# Altium PCB Power_board.PcbDoc
Units mm, origin at the board's own origin, x right, y up, seen from the top; angles counter-clockwise.
Board outline 158 x 108 mm, 4 copper layers (Component Side, GND, Power plane, Solder Side), stack 1.606 mm thick; 132 components, 50 nets, 387 pads, 350 vias.
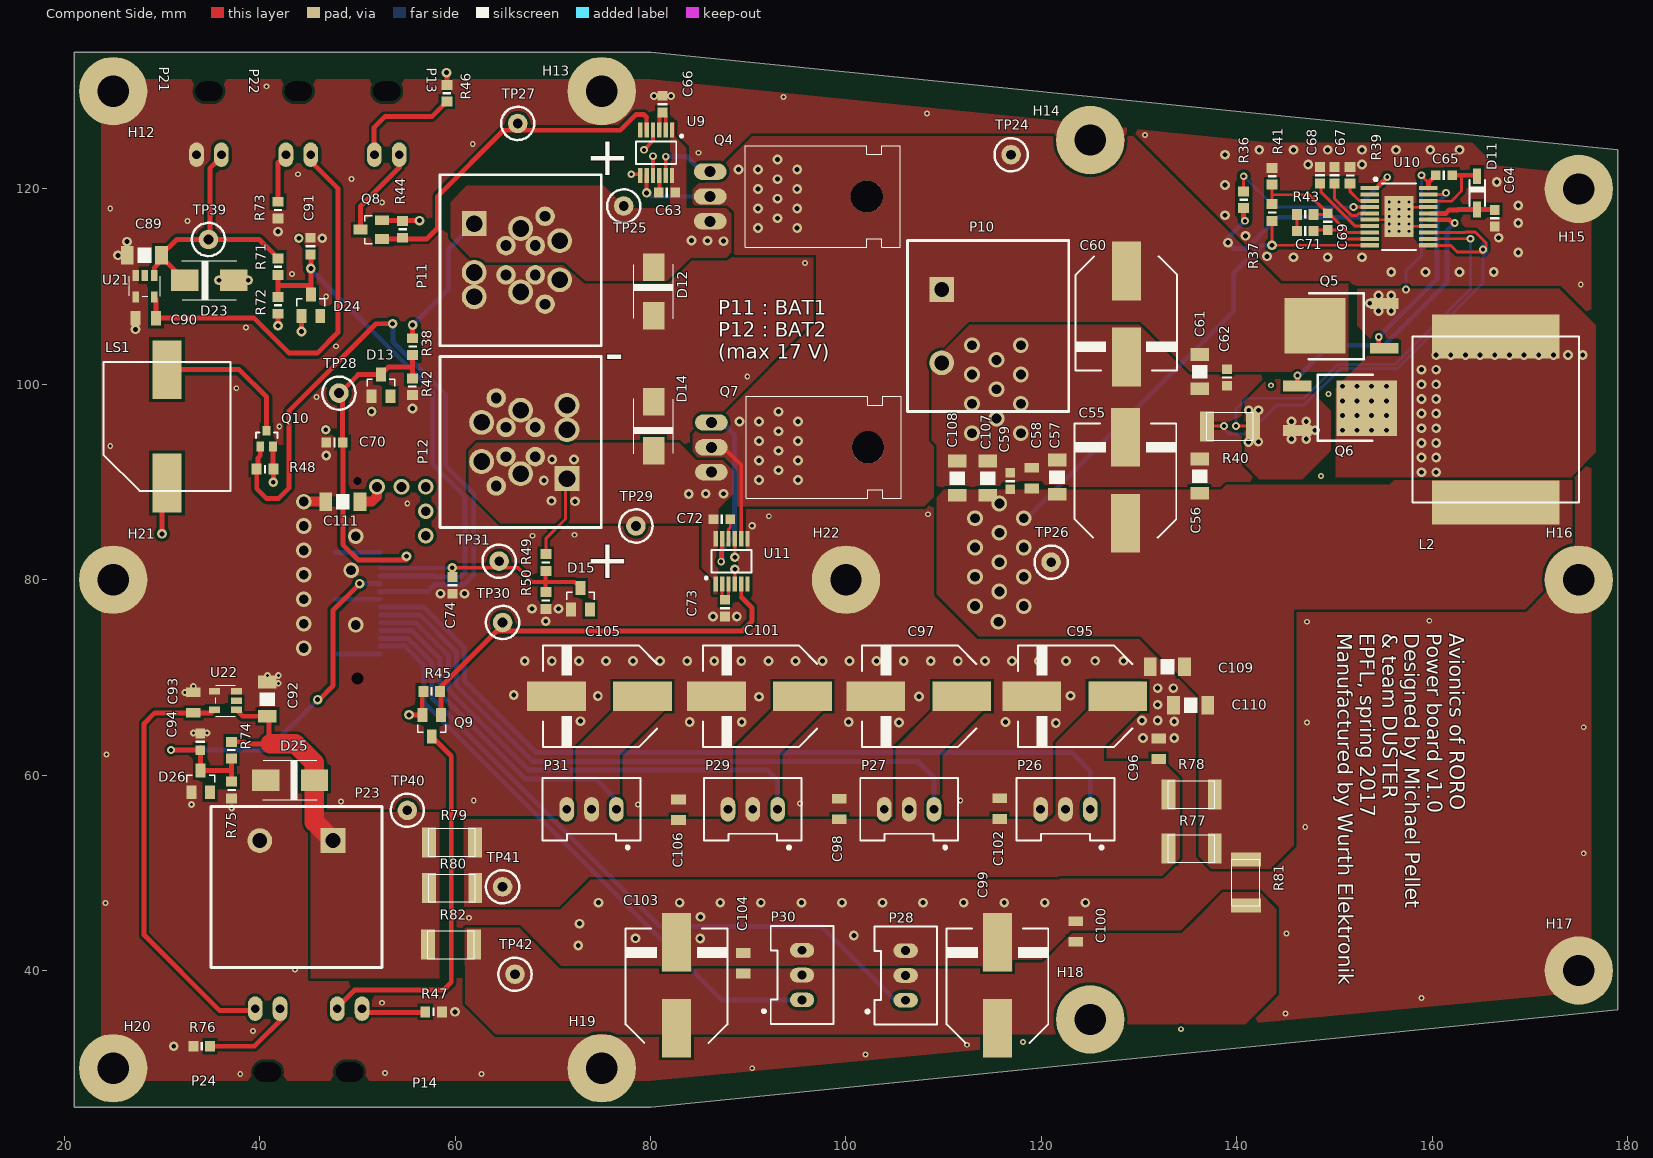
[diagram p0: Component Side view]
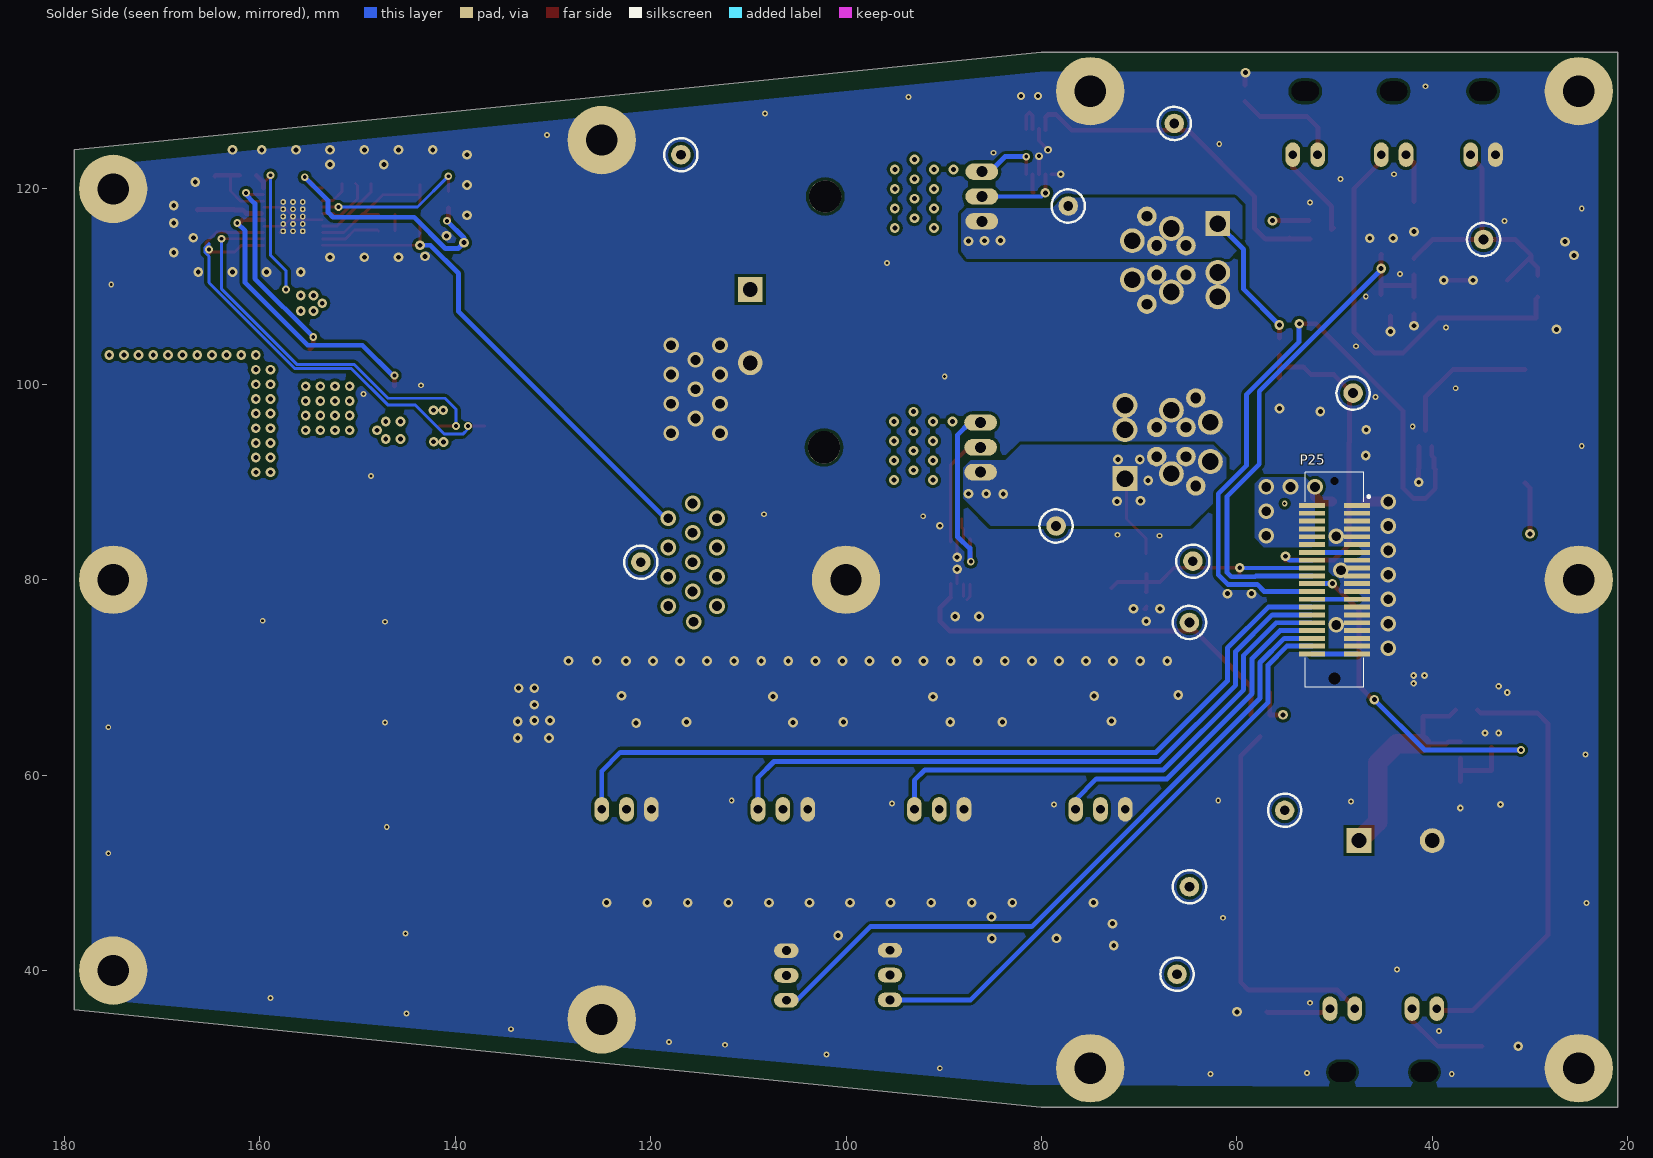
[diagram p1: Solder Side view, seen from below]
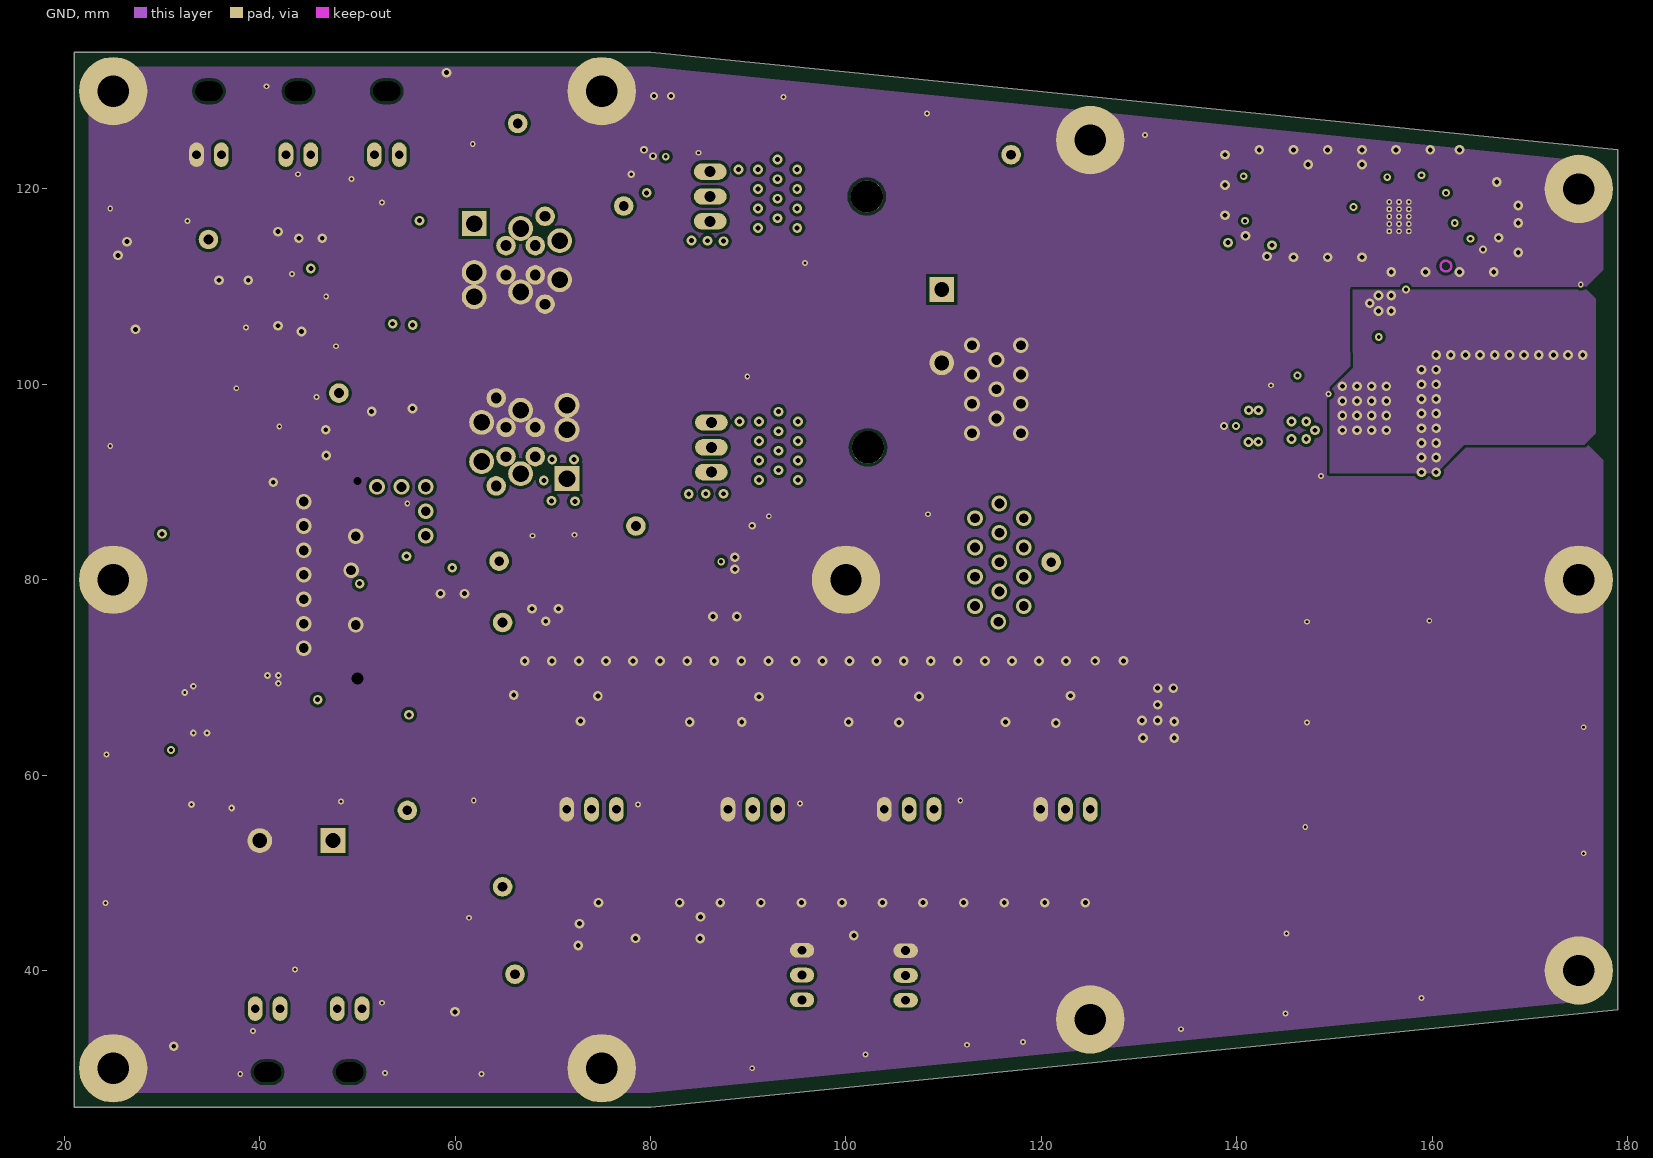
[diagram p2: GND]
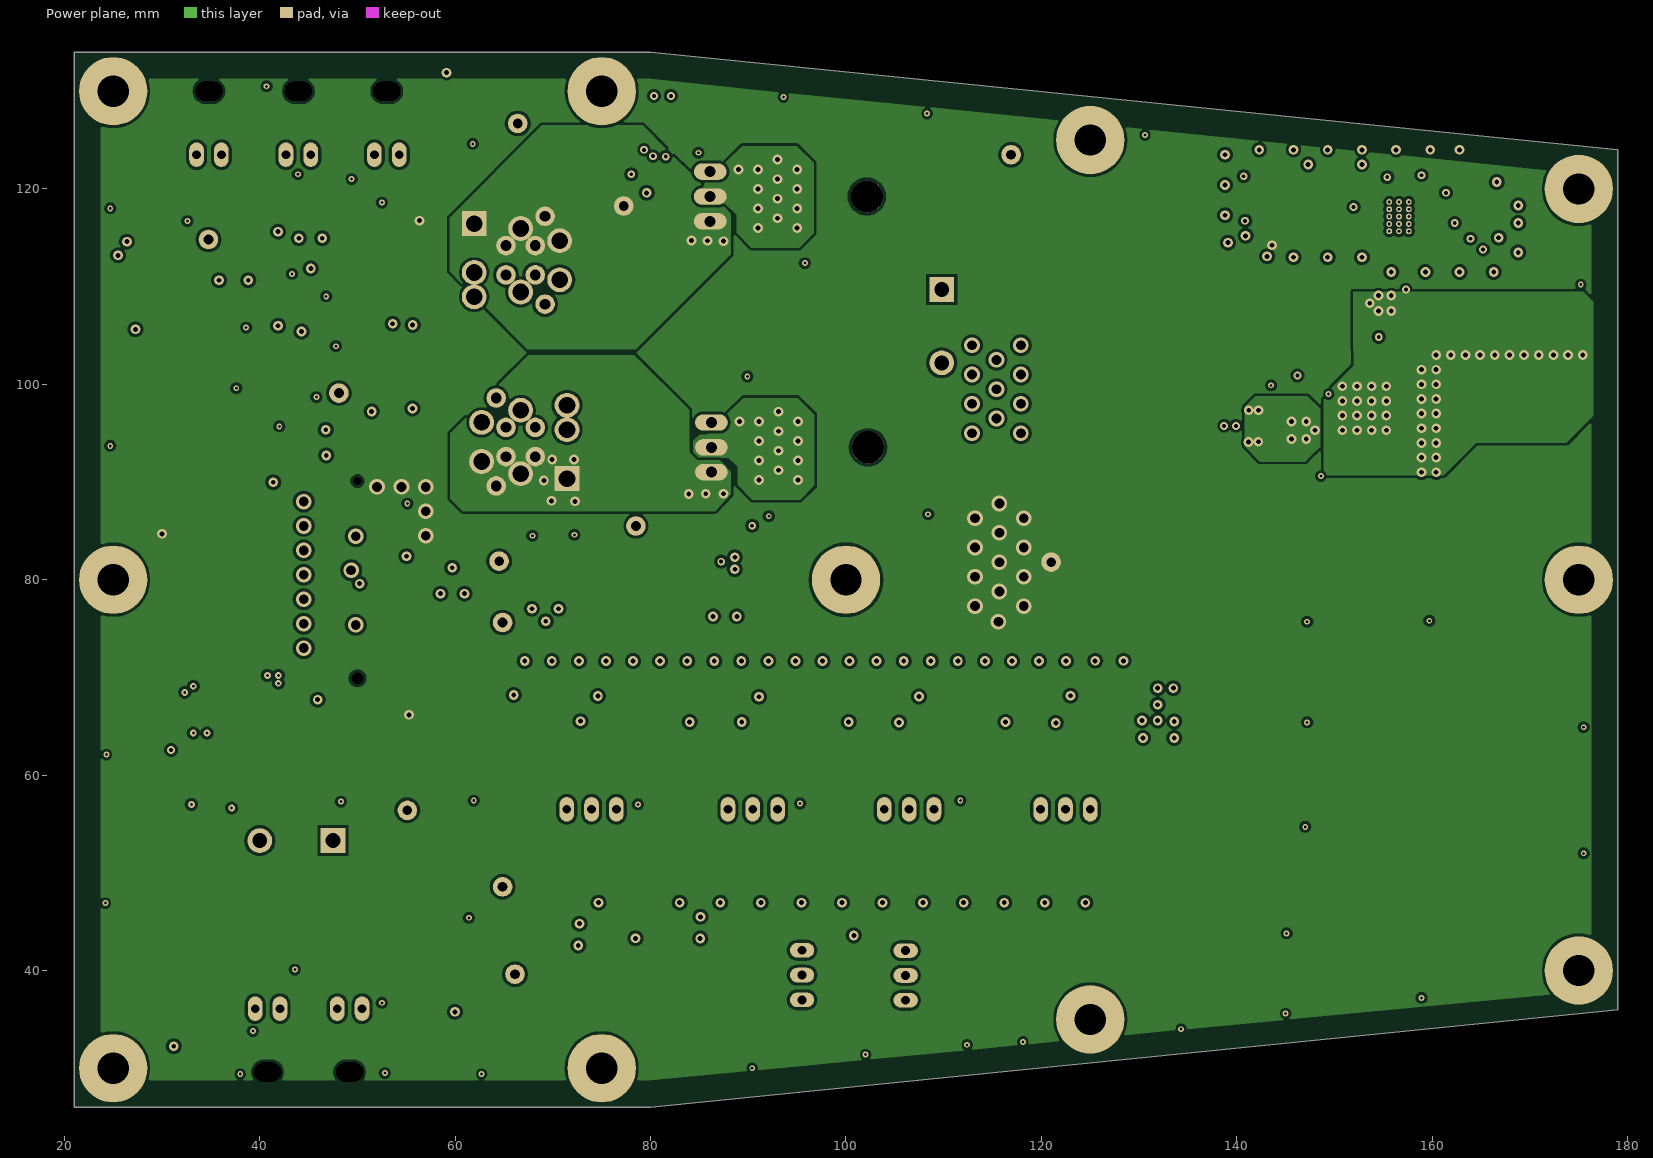
[diagram p3: Power plane]
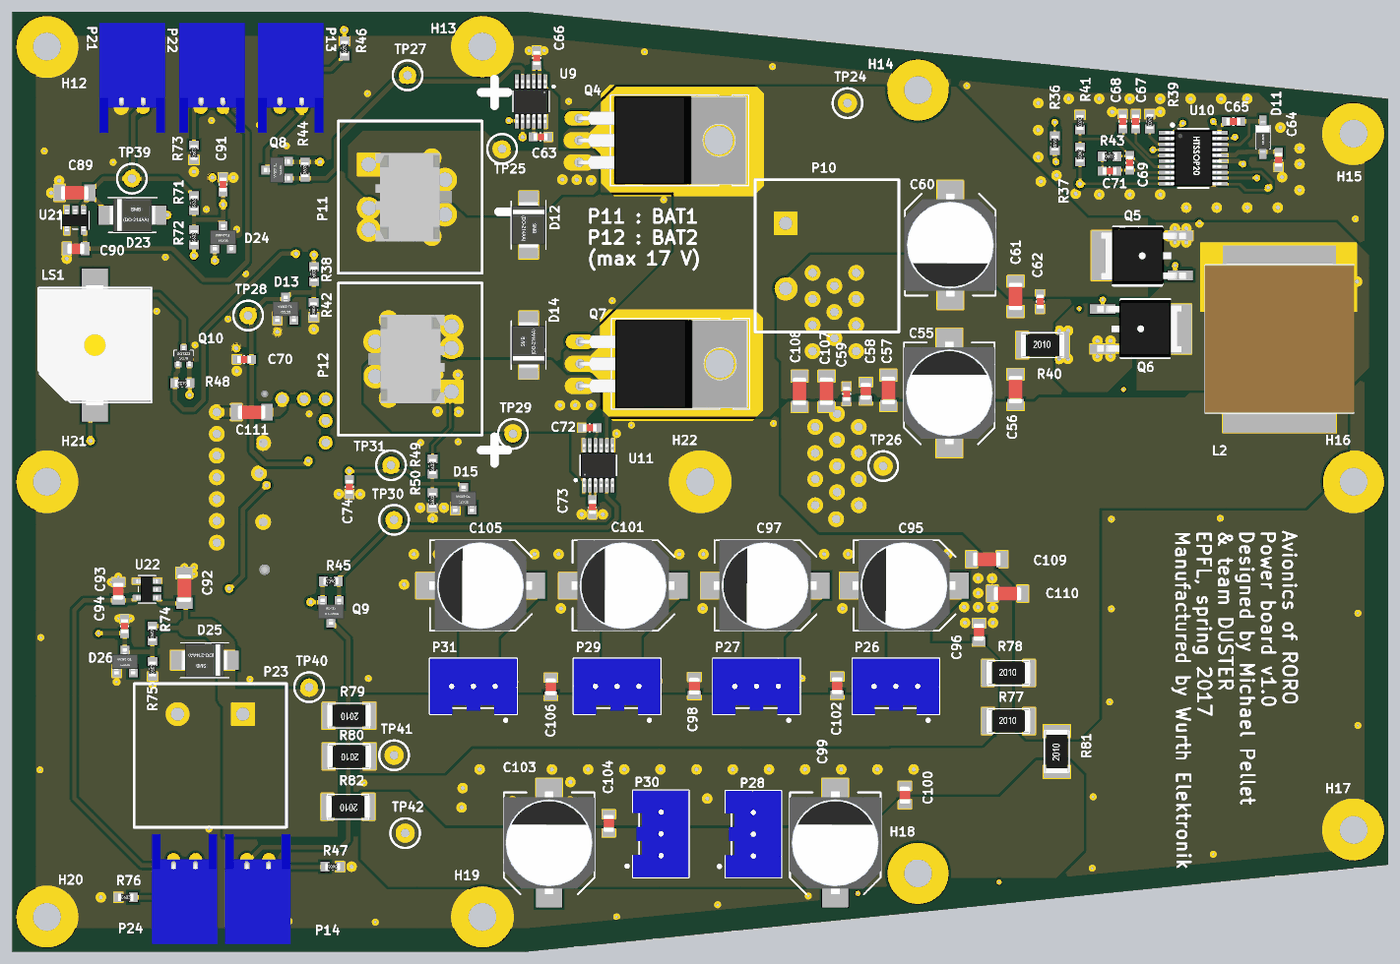
[diagram p4: 3D render of the assembled board from above, using the file's embedded part models]

## Layer stack, top to bottom
Top Solder: solder mask 0.0102, Solder Resist, Dk 3.5
Component Side: signal copper 0.0356
Dielectric 1: prepreg 0.2, FR-4, Dk 4.5
GND: signal copper 0.0175
Dielectric 2: core 1.1, Dk 4.5
Power plane: signal copper 0.0175
Dielectric 3: prepreg 0.2, FR-4, Dk 4.5
Solder Side: signal copper 0.0356
Bottom Solder: solder mask 0.0102, Solder Resist, Dk 3.5

## Board outline
21,26 21,134 80,134 179,124 179,36 80,26

## Design rules (kind name [scope] priority, off if disabled: settings)
BoardOutlineClearance [All] p1: gap=0.25
Clearance [All] p1: gap=0.15 except(0.3: Arc-Poly Arc-Region Track-Poly Track-Region SMDPad-Poly SMDPad-Region THPad-Poly THPad-Region Via-Poly Via-Region Fill-Poly Fill-Region Poly-Poly Poly-Region; 1: Region-Region)
HoleSize [All] p1: absolutevalues=TRUE maxlimit=6.5 minlimit=0.25 maxpercent=80.000 minpercent=20.000
HoleToHoleClearance [All] p1: gap=0.4 allowstackedmicrovias=TRUE
MinimumAnnularRing [All] p1: minimumring=0.11
MinimumSolderMaskSliver [All] p1: minsoldermaskwidth=0.11
PlaneClearance [All] p1: clearance=0.5
PlaneConnect [All] p1: planeconnectstyle=Direct reliefexpansion=0.508 reliefentries=4 reliefconductorwidth=0.254 reliefairgap=0.15
PolygonConnect [All] p1: connectstyle=Direct reliefconductorwidth=0.254 reliefentries=4 polygonreliefangle="90 Angle" airgapwidth=0.2
RoutingVias [All] p1: holewidth=0.4 width=0.8 viastyle="Through Hole" minholewidth=0.25 minwidth=0.6 maxholewidth=1 maxwidth=2
SilkToSilkClearance [All] p1: silktosilkclearance=0
SilkToSolderMaskClearance [IsPad] p1: minsilkscreentomaskgap=0.1 clearancetoexposedcopper=FALSE
SolderMaskExpansion [All] p1: expansion=0.102
Width [All] p1: maxlimit=10 minlimit=0.15 preferedwidth=0.5
23 further rules are at their usual default settings.

## Classes and differential pairs
component class 1.3.0_Power_board: P25
component class U_1: C55 C56 C57 C58 C59 C60 C61 C62 C63 C64 C65 C66 C67 C68 C69 C70 C71 C72 C73 C74 D11 D12 D13 D14 D15 L2 LS1 P5 P10 P11 P12 P13 P14 Q4 Q5 Q6 Q7 Q8 Q9 Q10 R36 R37 R38 R39 R40 R41 R42 R43 R44 R45 R46 R47 R48 R49 R50 TP24 TP25 TP26 TP27 TP28 TP29 TP30 TP31 U9 U10 U11

## Components (designator, comment, footprint, x,y, rotation, side; value= is the part's Value field where it differs from the comment)
C55 "470uF" PCV_10X10 128.6,90.2 r180 top
C56 "47uF" CAP1206W 136.2,90.6 r270 top
C57 "47uF" CAP1206W 121.6,90.5 r270 top
C58 "10uF" CAP0805W 119,90.4 r270 top
C59 "100nF" CAP0603R 116.8,90.1 r270 top
C60 "470uF" PCV_10X10 128.7,107.2 r0 top
C61 "47uF" CAP1206W 136.2,101.3 r90 top
C62 "100nF" CAP0603R 139,100.7 r90 top
C63 "100nF" CAP0603R 81.675,119.625 r180 top
C64 "1uF" CAP0603R 166.4,117 r90 top
C65 "1uF" CAP0603R 161.2,121.4 r0 top
C66 "100nF" CAP0603R 81.225,128.675 r270 top
C67 "560pF" CAP0603R 150,121.4 r270 top
C68 "10nF" CAP0603R 148.5,121.4 r270 top
C69 "82pF" CAP0603R 149.3,116.65 r270 top
C70 "100nF" CAP0603R 47.65,94.05 r0 top
C71 "10nF" CAP0603R 147,115.7 r0 top
C72 "100nF" CAP0603R 87.3,86.2 r0 top
C73 "100nF" CAP0603R 87.625,77.1 r90 top
C74 "100nF" CAP0603R 59.725,79.425 r90 top
C89 "47uF" CAP1206W 28.2,113.2 r0 top
C90 "4.7uF" CAP0805W 28.325,106.775 r0 top
C91 "100nF" CAP0603R 45.2,114.15 r270 top
C92 "47uF" CAP1206W 40.775,67.775 r270 top
C93 "4.7uF" CAP0805W 33.2,67.425 r270 top
C94 "100nF" CAP0603R 33.9,63.4 r270 top
C95 "470uF" PCV_10X10 123.4,68.075 r270 top
C96 "10uF" CAP0805W 132,62.7 r270 top
C97 "470uF" PCV_10X10 107.45,68.075 r270 top
C98 "10uF" CAP0805W 99.325,56.525 r270 top
C99 "470uF" PCV_10X10 115.5,38.5 r180 top
C100 "10uF" CAP0805W 123.5,44 r270 top
C101 "470uF" PCV_10X10 91.15,68.075 r270 top
C102 "10uF" CAP0805W 115.725,56.575 r270 top
C103 "470uF" PCV_10X10 82.65,38.5 r180 top
C104 "10uF" CAP0805W 89.5,40.75 r270 top
C105 "470uF" PCV_10X10 74.775,68.075 r270 top
C106 "10uF" CAP0805W 82.85,56.45 r270 top
C107 "47uF" CAP1206W 114.5,90.4 r270 top
C108 "47uF" CAP1206W 111.4,90.4 r270 top
C109 "47uF" CAP1206W 132.9,71.1 r0 top
C110 "47uF" CAP1206W 135.275,67.15 r0 top
C111 "47uF" CAP1206W 48.5,88 r0 top
D11 "DS_NRVB0530T3G" SOD123 164.6,119.6 r270 top
D12 "20V" DO-214AA 80.3,109.5 r270 top
D13 "3V6" SOT23 52.4,99.875 r0 top
D14 "20V" DO-214AA 80.3,95.7 r90 top
D15 "3V6" SOT23 72.825,78.05 r0 top
D23 "20V" DO-214AA 34.825,110.65 r0 top
D24 "3V6" SOT23 45.225,108.075 r0 top
D25 "20V" DO-214AA 43.1,59.5 r180 top
D26 "3V6" SOT23 33.95,59.35 r0 top
H12 "Hole_3.2mm" HOLE_3.2MM#1 22.625,128.925 r0 top
H13 "Hole_3.2mm" HOLE_3.2MM#2 75,130.325 r0 top
H14 "Hole_3.2mm" HOLE_3.2MM#3 125,130.075 r0 top
H15 "Hole_3.2mm" HOLE_3.2MM#4 183.3,129.65 r0 top
H16 "Hole_3.2mm" HOLE_3.2MM#5 175.4,79.8 r0 top
H17 "Hole_3.2mm" HOLE_3.2MM#6 180.4,21.875 r0 top
H18 "Hole_3.2mm" HOLE_3.2MM#7 125.175,30.225 r0 top
H19 "Hole_3.2mm" HOLE_3.2MM#8 73.925,29.725 r0 top
H20 "Hole_3.2mm" HOLE_3.2MM#9 22.6,22.6 r0 top
H21 "Hole_3.2mm" HOLE_3.2MM#10 22.175,76.225 r0 top
H22 "Hole_3.2mm" HOLE_3.2MM#11 96.75,77.1 r0 top
L2 "3.3uH" IHLP_INDUCTOR 166.5,96.4 r0 top
LS1 "Buzzer" CT-1205C-SMT 30.5,95.7 r180 top
P10 "Header 2" "CON PROV 2P POWER" 109.8,109.7 r270 top
P11 "Header MicroFit 2" "CON 2P POWER AND MICROFIT 4P" 66.7,112.7 r270 top
P12 "Header MicroFit 2" "CON 2P POWER AND MICROFIT 4P" 66.7,94.1 r90 top
P13 "LED connector" "CON_JST_XA_ S02B-XASS-1" 53,123.5 r180 top
P14 "LED connector" "CON_JST_XA_ S02B-XASS-1" 49.2,36.1 r0 top
P21 "" "CON_JST_XA_ S02B-XASS-1" 34.8,123.5 r180 top
P22 "LED connector" "CON_JST_XA_ S02B-XASS-1" 43.95,123.5 r180 top
P23 "Header 2" "CON PROV 2P POWER" 47.5,53.3 r180 top
P24 "LED connector" "CON_JST_XA_ S02B-XASS-1" 40.8,36.1 r0 top
P25 "61083-043400LF" 61083-043400LF 50,80 r270 bottom locked
P26 "Header 3p JST XA 3A" "CON_JST_XA_ B03B-XASK" 122.46,56.5 r180 top
P27 "Header 3p JST XA 3A" "CON_JST_XA_ B03B-XASK" 106.46,56.5 r180 top
P28 "Header 3p JST XA 3A" "CON_JST_XA_ B03B-XASK" 106.1,39.5 r90 top
P29 "Header 3p JST XA 3A" "CON_JST_XA_ B03B-XASK" 90.46,56.5 r180 top
P30 "Header 3p JST XA 3A" "CON_JST_XA_ B03B-XASK" 95.5,39.54 r90 top
P31 "Header 3p JST XA 3A" "CON_JST_XA_ B03B-XASK" 73.96,56.5 r180 top
Q4 "MOSFET_N" TO220 90.95,119.225 r270 top
Q5 "MOSFET_N" TO252 150.6,105.986 r90 top
Q6 "MOSFET_N" TO252 150.7,97.55 r270 top
Q7 "MOSFET_N" TO220 91.075,93.55 r270 top
Q8 "MOSFET_P" SOT23 51.425,115.825 r90 top
Q9 "MOSFET_P" SOT23 57.6,65.075 r180 top
Q10 "MOSFET_N" SOT-323-3 40.7,94.45 r0 top
R36 "10K" 0603 140.7,118.9 r270 top
R37 "6K19" 0603 143.6,117.6 r270 top
R38 "10K" 0603 55.65,103.85 r90 top
R39 "18K7" 0603 151.6,121.4 r270 top
R40 "3m" 2010 139.3,95.7 r0 top
R41 "2K" 0603 143.6,121.3 r270 top
R42 "2K" 0603 55.625,99.75 r90 top
R43 "6K19" 0603 147,117.4 r0 top
R44 "18K7" 0603 54.625,115.85 r90 top
R45 "18K7" 0603 57.6,68.575 r180 top
R46 "22" 0603 59.15,129.8 r270 top
R47 "22" 0603 57.8,35.775 r180 top
R48 "18K7" 0603 40.55,91.325 r180 top
R49 "10K" 0603 69.275,81.75 r90 top
R50 "2K" 0603 69.275,77.875 r90 top
R71 "10K" 0603 41.875,112.025 r90 top
R72 "2K" 0603 41.875,108.075 r90 top
R73 "22" 0603 41.875,117.825 r90 top
R74 "10K" 0603 37.1,62.55 r90 top
R75 "2K" 0603 37.125,58.475 r90 top
R76 "22" 0603 34.05,32.25 r0 top
R77 "3m" 2010 135.375,52.5 r0 top
R78 "3m" 2010 135.375,58.025 r0 top
R79 "3m" 2010 59.675,53.125 r180 top
R80 "3m" 2010 59.7,48.45 r180 top
R81 "3m" 2010 140.925,49 r90 top
R82 "3m" 2010 59.575,42.65 r180 top
TP24 "Test point" TP 116.9,123.5 r270 top
TP25 "Test point" TP 77.25,118.25 r0 top
TP26 "Test point" TP 121,81.8 r270 top
TP27 "Test point" TP 66.4,126.7 r180 top
TP28 "Test point" TP 48.1,99.1 r0 top
TP29 "Test point" TP 78.5,85.5 r270 top
TP30 "Test point" TP 64.85,75.625 r270 top
TP31 "Test point" TP 64.5,81.9 r0 top
TP39 "Test point" TP 34.75,114.825 r270 top
TP40 "Test point" TP 55.1,56.4 r0 top
TP41 "Test point" TP 64.85,48.575 r90 top
TP42 "Test point" TP 66.125,39.625 r0 top
U9 "LTC4352" TSOP612 80.575,123.7 r270 top
U10 "LM25116MHX/NOPB" "HTSSOP 20" 156.6,117.165 r270 top
U11 "LTC4352" TSOP612 88.3,81.875 r90 top
U21 "TPS7B6950D" SOT-23-5 28.25,110.05 r180 top
U22 "TPS7B6950D" SOT-23-5 36.5,67.625 r90 top
